# Altium PCB MCP33151 Eval Board.PcbDoc (part 2 of 3)
Units mil, origin at the board's own origin, x right, y up, seen from the top; angles counter-clockwise.
Board outline 5100 x 3300 mil, 4 copper layers (Top Layer, GND, Layer 3, Bottom Layer), stack 61.627 mil thick; 311 components, 193 nets, 867 pads, 452 vias.
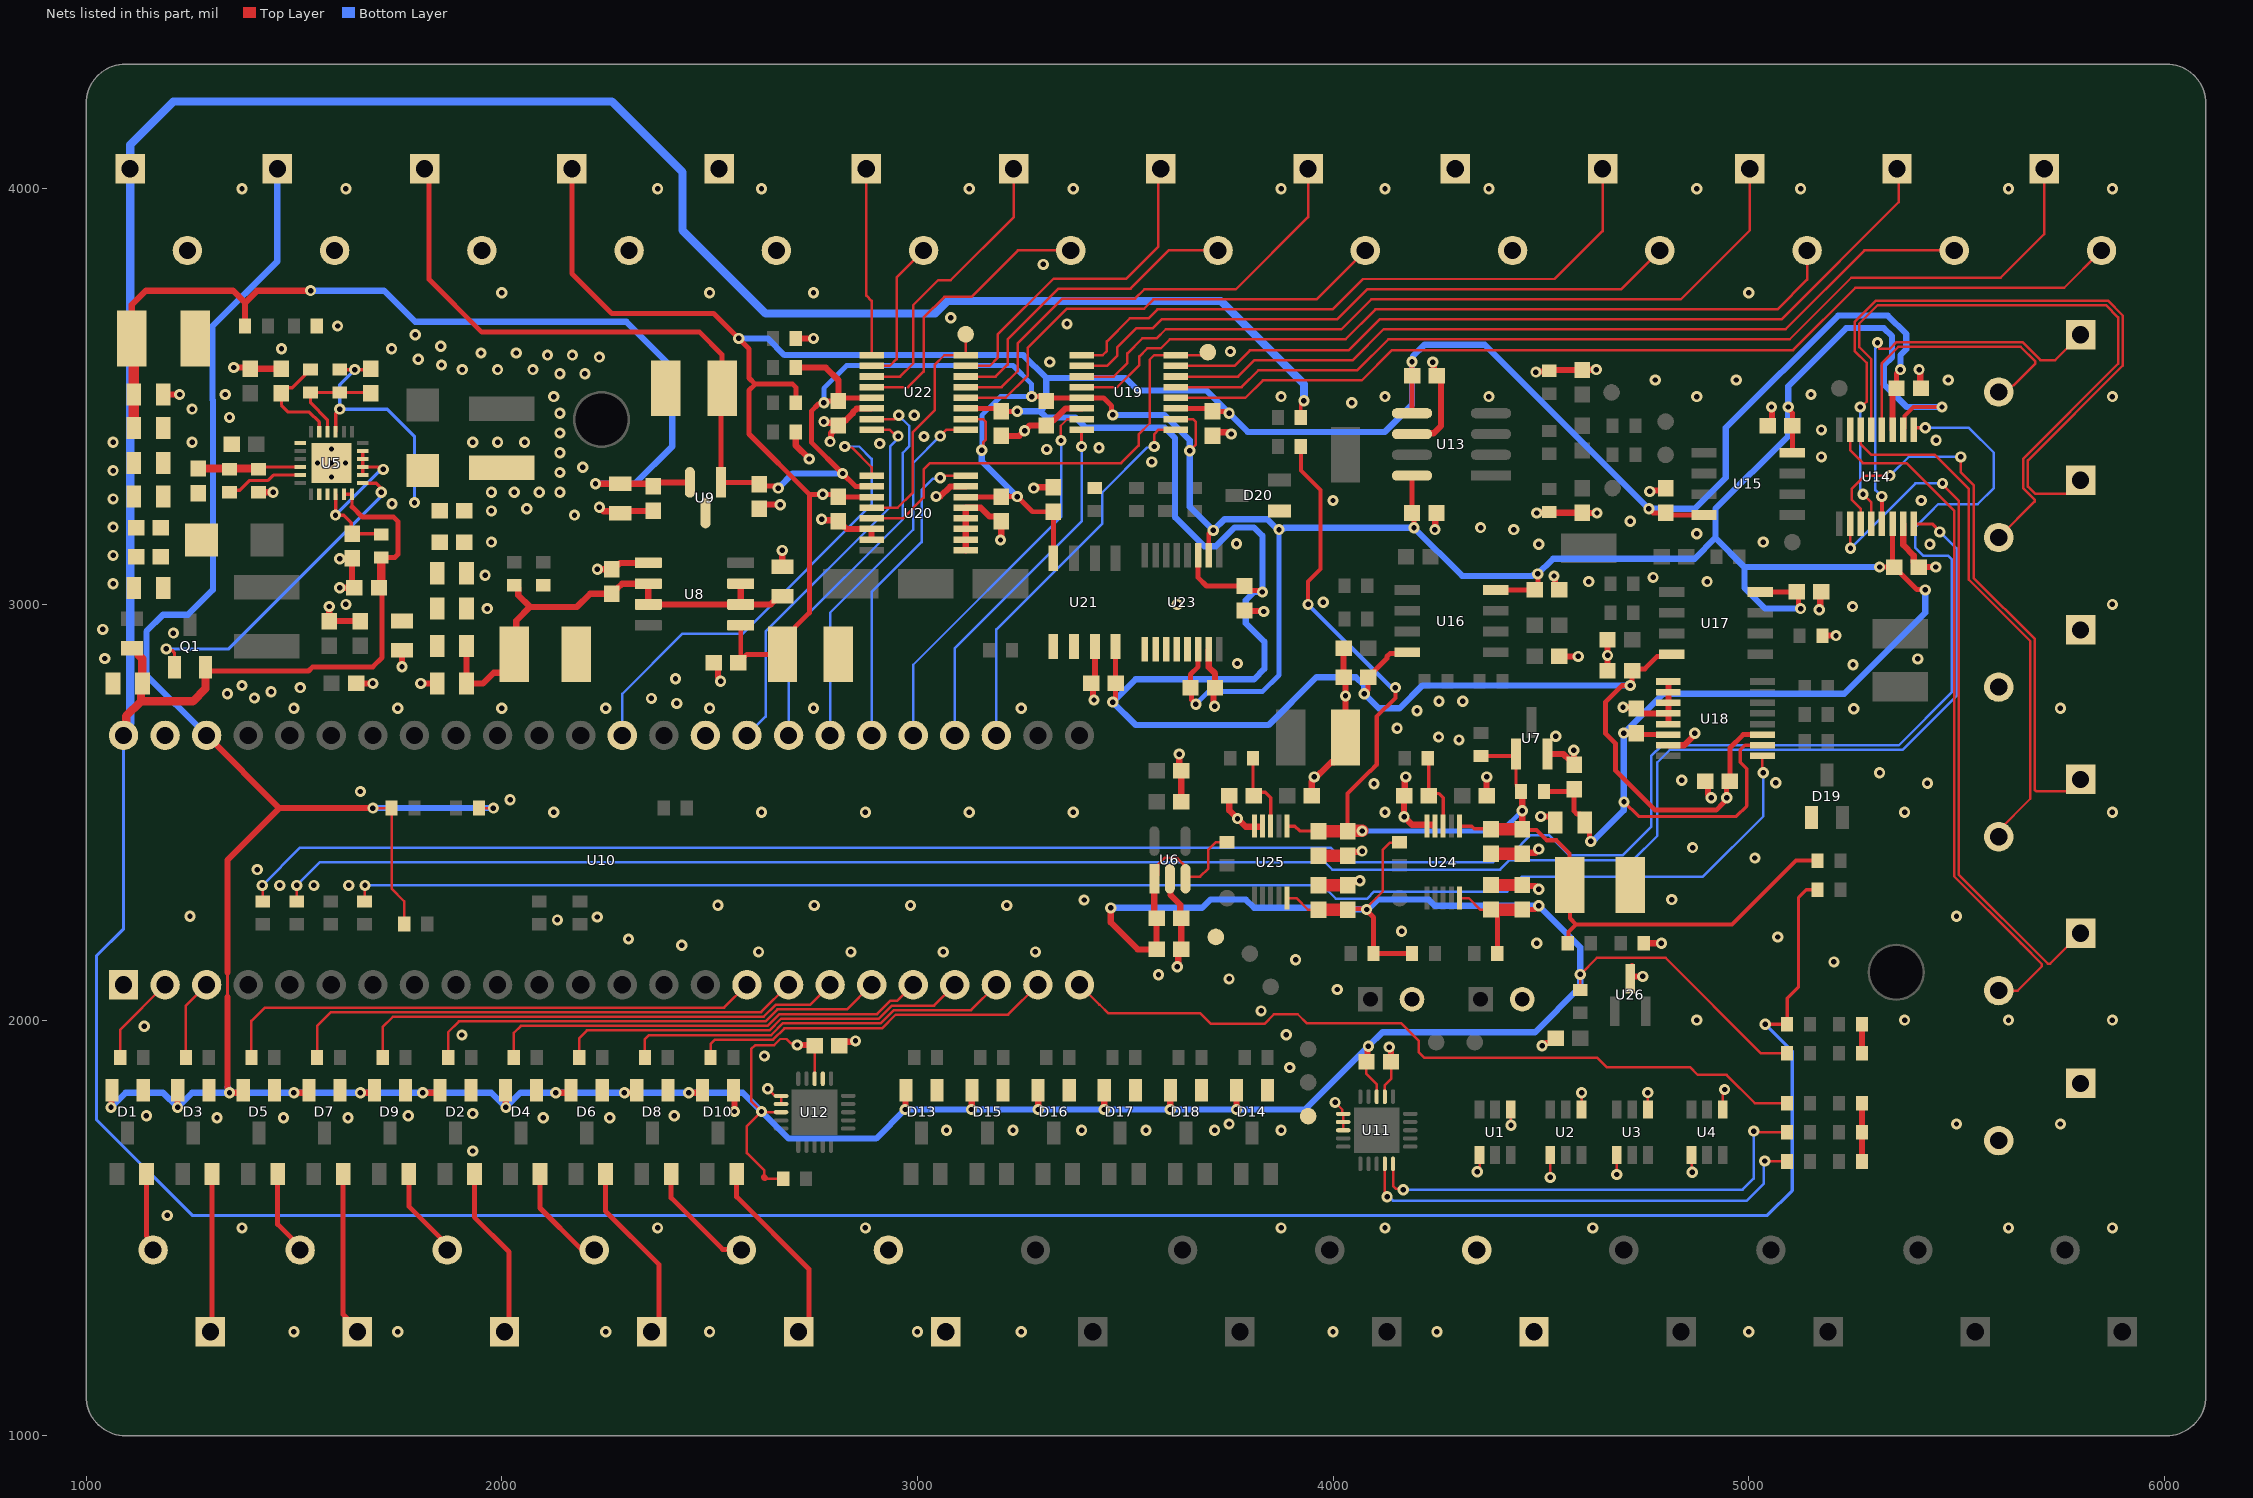
[diagram p4: the nets of this part, all layers, seen from the top]

## Via types
v1: diameter 27, hole 13, Top Layer to Bottom Layer, tented both sides, 439 vias
v2: diameter 19.68, hole 7.87, Top Layer to Bottom Layer, 8 vias
v3: diameter 23.62/27/27/27 (per signal layer), hole 11.81, Top Layer to Bottom Layer, tented both sides, 3 vias
v4: diameter 23.62/0/0/27 (per signal layer), hole 11.81, Top Layer to Bottom Layer, 2 vias

## Nets (pads, with @x,y where several pads share a name; then routed paths per layer and width w, separated by ;. In a path a pad name is that pad's centre, name@x,y a point inside that pad or via, vN(x,y) a via of type N, cw(c..) or ccw(c..) an arc to the next point about the centre after c; other vN are vias at no path point) (continued)
+3V3: C13.2 C14.2 C31.2 C32.2 C69.2 C70.2 C74.2 C75.2 D1.2 D2.2 D3.2 D4.2 D5.2 D6.2 D7.2 D8.2 D9.2 D10.2 D13.2 D14.2 D15.2 D16.2 D17.2 D18.2 P37.1 R30.1 R31.1 R32.1 R66.2 R67.2 R68.2 R69.2 R70.2 R77.2 R81.1 R91.1 U6.1 U6.3 U10.46 U11.18 U12.3 U12.18 U24.10 U25.10 | length 12301.6
  Top Layer w6: v1(1690,2510) R30.1@1734.88,2510 1734.88,2316.12 1765.44,2285.56 R91.1@1765.44,2231 ; R31.1@1945.12,2510 v1(1980,2510) ; 2631.04,1621.96 2631.04,1638.96 2590,1680 2590,1745 v1(2625,1780) ; 2633,1620 2634.65,1618.35 R32.1@2677.09,1618.35 ; U12.3@2672,1778.37 2626.63,1778.37 v1(2625,1780) ; v1(2711,1940) 2706.98,1944.02 2695.46,1944.02 2684.98,1954.5 2670,1954.5 2655.5,1940 2610,1940 2600,1930 2600,1805 v1(2625,1780) ; C32.2@2751.47,1940 C32.2@2753.13,1938.35 2752.71,1937.93 U12.18@2752.71,1859.08 ; U6.1@3567.56,2342.44 U6.1@3570,2340 3579.05,2349.05 3579.05,2374.05 3595,2390 3625,2390 3639.27,2375.73 3639.27,2373.91 3644.8,2368.38 U6.3@3644.8,2340 3649.8,2345 3680,2345 3700,2365 3700,2410 3717.56,2427.56 R70.2@3745,2427.56 ; U25.10@3889.37,2293.39 3911.61,2293.39 3939.53,2265.47 C74.2@3965,2265.47 ; C31.2@4080.47,1900 4080.47,1870.53 4105,1846 U11.18@4105,1815.71 ; v1(4080.64,2266) 4080.64,2267.61 4080.36,2267.89 4080.36,2270.36 4120,2310 4120,2410 4136.8,2426.8 4159.24,2426.8 R66.2@4160,2427.56 ; U24.10@4304.37,2293.39 4326.61,2293.39 4354.06,2265.94 C69.2@4380,2265.94 ; R81.1@4595,2072.56 v1(4595,2110) 4635,2150 4800,2150 5030,1920 R77.2@5092.44,1920
  Top Layer w8: 1340,2055 1340,2115
  Top Layer w12: C75.2@4035,2265.47 4037.41,2267.89 4080.36,2267.89 4080.36,2263.83 4097.56,2246.63 R69.2@4097.56,2160 R67.2@4190.2,2160 ; C69.2@4380,2265.94 4380,2264.96 4395.12,2249.84 R68.2@4395.12,2160 ; C70.2@4455,2265.94 4485.94,2265.94 v1(4495,2275)
  Top Layer w15: v1(1060,1790) 1061.3,1791.3 1061.3,1829.88 D1.2@1062.6,1831.18 ; v1(1220,1790) 1220.19,1790.19 1220.19,1830.99 D3.2@1220.38,1831.18 ; U10.46@1290,2685 1465,2510 ; 1340,1838.49 1340,2055 ; 1340,2115 1340,2385 1465,2510 ; v1(1345,1825) 1371.97,1825 D5.2@1378.15,1831.18 ; v1(1500,1825) 1529.75,1825 D7.2@1535.93,1831.18 ; v1(1660,1825) 1687.53,1825 D9.2@1693.71,1831.18 ; v1(1690,2510) 1465,2510 ; v1(1810,1825) 1845.31,1825 D2.2@1851.49,1831.18 ; D4.2@2009.26,1831.18 2009.63,1830.81 2009.63,1790.37 v1(2010,1790) ; v1(2130,1825) 2160.86,1825 D6.2@2167.04,1831.18 ; v1(2295,1825) 2318.64,1825 D8.2@2324.82,1831.18 ; v1(2450,1825) 2476.42,1825 D10.2@2482.6,1831.18 ; 2631.04,1621.96 2633,1620 ; v1(2711,1940) C32.2@2751.47,1940 ; v1(2970.5,1785) 2971.55,1786.05 2971.55,1830.13 D13.2@2972.6,1831.18 ; v1(3130,1785) 3130.8,1785.8 3130.8,1830.38 D15.2@3131.6,1831.18 ; v1(3290.6,1785) D16.2@3290.6,1831.18 ; v1(3449.6,1785) D17.2@3449.6,1831.18 ; v1(3465,2270) 3465,2235 3530,2170 C13.2@3575.47,2170 C14.2@3575.47,2245 3570,2250.47 U6.1@3570,2340 ; v1(3608.6,1785) D18.2@3608.6,1831.18 ; v1(3767.6,1785) D14.2@3767.6,1831.18 ; C31.2@4080.47,1900 4082.74,1902.26 4082.74,1934.74 v1(4085,1937)
  Top Layer w30: C74.2@3965,2265.47 C75.2@4035,2265.47 ; C69.2@4380,2265.94 C70.2@4455,2265.94
  Bottom Layer w15: v1(1060,1790) 1095,1825 1185,1825 v1(1220,1790) 1255,1825 v1(1345,1825) ; U10.46@1290,2685 1145,2830 1145,2935 1185,2975 1245,2975 1305,3035 1305,3491.16 1304,3492.16 1304,3669 1460.14,3825.14 P37.1@1460.14,4048.43 ; 1340,1838.49 1342.7,1835.78 1342.7,1827.3 v1(1345,1825) ; v1(1690,2510) v1(1980,2510) ; v1(3465,2270) 3685,2270 3705,2290 3790,2290 3810,2270 4037.14,2270 4040.49,2266.64 4079.99,2266.64 v1(4080.64,2266) ; v1@4081.54,2268.46 4086.01,2268.46 4107.55,2290 4230,2290 4245,2275 v1(4495,2275) 4595,2175 4595,2080 4486,1971 4119,1971 v1(4085,1937) ; v1@4084.54,1936.54 3933,1785 v1(3767.6,1785) v1(3608.6,1785) v1(3449.6,1785) v1(3290.6,1785) v1(3130,1785) v1(2970.5,1785) 2900.5,1715 2690,1715 v1(2625,1780) 2580,1825 2045,1825 v1(2010,1790) 1975,1825 v1(1810,1825) v1(1660,1825) v1(1500,1825) v1(1345,1825)
+5: C6.2 C10.2 P34.1 Q1.2 R25.1 R75.2 R84.2 R88.1 R90.1 U5.5 U5.6 U10.48 | length 12216.8
  Top Layer w8: U5.5@1620,3265.39 U5.6@1639.68,3265.39 1639.68,3235.32 1640,3235 ; R90.1@3922.56,3450 3922.56,3482.56 v1(3930,3490) ; v1(5040,1990) R75.2@5092.44,1990 5092.44,2052.44 5120,2080 5120,2295 5138.62,2313.62 R88.1@5165.79,2313.62
  Top Layer w12: Q1.2@1287.4,2848.82 1296.22,2840 1535,2840 1545,2850 1690,2850 1712,2872 1712,3032.53 C10.2@1704.53,3040 ; 1640,3235 1665,3210 1740,3210 1750,3200 1750,3120 1742.91,3112.91 R25.1@1710,3112.91
  Top Layer w20: U10.48@1090,2685 1096.27,2691.27 1096.27,2731.27 1131.86,2766.86 ; R84.2@1110,2894.57 1118.86,2894.57 1126.57,2886.85 1126.57,2877.99 1135.43,2869.13 C6.2@1135.43,2810 1131.86,2806.42 1131.86,2766.86 ; Q1.2@1287.4,2848.82 1287.4,2797.4 1256.86,2766.86 1131.86,2766.86 ; C10.2@1704.53,3040 1710,3045.47 R25.1@1710,3112.91
  Bottom Layer w8: U10.48@1090,2685 1090,2220 1025,2155 1025,1760 1255,1530 5045,1530 5105,1590 5105,1925 v1(5040,1990)
  Bottom Layer w20: U10.48@1090,2685 1090,2698.76 1105.9,2714.66 P34.1@1105.9,4048.43 1105.9,4105.9 1210,4210 2265,4210 2435,4040 2435,3900 2635,3700 3042.62,3700 3072.62,3730 3730,3730 3930,3530 v1(3930,3490)
+5V_A: C67.2 C68.2 C72.2 C73.2 R28.2 R76.2 R87.1 R89.1 R92.1 TP31.1 U7.1 U24.1 U25.1 | length 3129.5
  Top Layer w8: U25.1@3889.37,2466.61 3908.39,2466.61 3920,2455 3964.53,2455 C73.2@3965,2454.53 ; C72.2@4034.05,2454.53 4034.53,2455 C72.2@4035,2454.53 ; U24.1@4304.37,2466.61 4333.39,2466.61 4340,2460 4379.53,2460 C68.2@4380,2459.53 ; U7.1@4440,2640 4440,2565.39 4452.44,2552.95 R28.2@4452.44,2550 R28.2@4455,2547.44
  Top Layer w10: R89.1@3922.56,3380 3922.56,3322.44 3970,3275 3970,3085 3940,3055 v1(3940,3000) ; C72.2@4035,2454.53 4035,2545 4089.25,2599.25 4090,2599.25 4105,2614.25 4105,2730 4150,2775 v1(4150,2800) ; R92.1@4356,2635.44 4435.44,2635.44 U7.1@4440,2640 ; C67.2@4455,2459.53 4457.37,2457.16 4489.65,2457.16 4514.31,2432.5 4537.5,2432.5 4568.93,2401.07 4568.93,2326.07 TP31.1@4570,2325 4570,2245 4585,2230 ; R76.2@4564.88,2185 4566.86,2186.98 4566.86,2211.86 4585,2230 ; R87.1@5165.79,2383.62 5113.62,2383.62 4960,2230 4585,2230
  Top Layer w15: C67.2@4455,2459.53 v1(4455,2503.48) R28.2@4455,2547.44
  Top Layer w30: C73.2@3965,2454.53 C72.2@4034.05,2454.53 ; C72.2@4035,2454.53 4035.47,2455 v1(4070,2455) ; C68.2@4380,2459.53 C67.2@4455,2459.53
  Bottom Layer w10: v1(3940,3000) 4140,2800 v1(4150,2800)
  Bottom Layer w12: v1(4070,2455) 4406.52,2455 v1(4455,2503.48)
+12: C23.2 C24.2 C30.2 C33.2 C34.2 C40.2 C48.2 C49.2 C52.2 C55.2 C56.2 C60.2 C61.2 C62.2 P35.1 R28.1 R73.2 TP22.1 U9.1 U13.8 U14.2 U14.14 U15.8 U16.8 U17.8 U18.2 U18.14 U19.2 U19.13 U20.2 U20.14 U21.8 U22.2 U22.13 U23.2 U23.14 | length 11168.7
  Top Layer w6: U22.2@3116.19,3446.02 3157.97,3446.02 3165,3438.99 3165,3396.5 3159.02,3390.52 3159.02,3375.02 v1(3155,3371) ; U19.2@3622,3446.02 3662.97,3446.02 3670,3438.99 3670,3385 v1(3655,3370)
  Top Layer w8: v1(4700,2525) 4735,2490 4970,2490 4995,2515 4995,2605 4980,2620 4980,2650 4991.02,2661.02 U18.2@5033.19,2661.02
  Top Layer w10: U23.2@3700.98,3118.19 v1@3700.98,3170.98 ; U14.2@5371.77,3420 5374.65,3422.87 5374.65,3453.07 5396.58,3475 v1(5465,3475)
  Top Layer w12: P35.1@1824.8,4048.43 1824.8,3782.2 1952,3655 2476,3655 2530,3601 TP22.1@2530,3520 2527.4,3517.4 U9.1@2527.4,3293.65 2615.88,3293.65 C30.2@2620,3289.53 2624.2,3285.33 v1@2655.61,3285.33 ; 2744.97,3455.03 2744.97,3464.97 v1@2762.13,3482.13 ; 2745,3455 2745,3390 v1(2819.93,3315.07) 2850.99,3284.01 U20.2@2889.81,3283.98 ; v1(2775,3485) 2779.53,3489.53 C60.2@2810,3489.53 2817.68,3497.2 U22.13@2889.81,3497.2 ; U20.14@3116.19,3258.39 3200.86,3258.39 C56.2@3202,3259.53 v1(3240.47,3259.53) 3276.97,3223.03 C62.2@3327,3223.03 U21.8@3327,3111.3 ; v1(3275,3500) 3299.53,3500 C55.2@3310,3489.53 3317.68,3497.2 U19.13@3395.62,3497.2 3447.8,3497.2 3467.13,3477.87 3467.13,3458.87 v1(3470,3456) ; v1(3670,2760) 3659.67,2770.33 3659.67,2797.33 C61.2@3657,2800 3657,2832 3675.39,2850.39 U23.14@3675.39,2891.81 ; C33.2@4189.98,3220 U13.8@4189.95,3310 ; C33.2@4189.98,3220 4194.67,3215.31 v1(4194.67,3184.39) ; U16.8@4391.3,3035 C48.2@4485.47,3035 4492.74,3042.27 v1(4492.74,3073.38) ; R28.1@4507.56,2550 4574.53,2550 C24.2@4580,2555.47 4580,2502.6 4587.03,2495.57 4593.72,2495.57 4605.43,2483.86 C23.2@4605.43,2483.28 ; C23.2@4617.15,2495 C23.2@4605.43,2483.28 ; v1(4620,2430) 4617.13,2432.87 4617.13,2463.3 C23.2@4605.43,2475 C23.2@4605.43,2483.28 ; v1(4699.53,2690.47) C52.2@4730,2690.47 4733.86,2686.61 U18.14@4806.81,2686.61 ; U17.8@5027.6,3030 C49.2@5115.47,3030 5119.67,3025.8 v1@5119.67,3000.33 ; v1(5095,3475) 5095,3471.04 5105,3461.04 C40.2@5105,3430 U15.8@5105,3365 ; v1(5315,3090) C34.2@5350.47,3090 ; U14.14@5346.18,3193.62 5346.18,3094.29 C34.2@5350.47,3090 ; v1(5425,3035) 5424.49,3035.51 5404.96,3035.51 5364.16,3076.31 5364.16,3077.3 5351.46,3090 C34.2@5350.47,3090
  Top Layer w15: R73.2@2707.56,3570 2780,3570 2810,3540 C60.2@2810,3489.53
  Bottom Layer w12: v1(2775,3485) 2775,3520 2830,3575 3230,3575 3275,3530 v1(3275,3500) 3200,3500 3155,3455 v1(3155,3371) ; v1(3670,2760) 3700,2790 3830,2790 3870,2830 v1(3870,3180)
  Bottom Layer w15: v1(2665,3280) 2700.07,3315.07 v1(2819.93,3315.07) ; v1(3155,3371) 3155,3345 v1(3240.47,3259.53) ; v1(3470,3456) 3594,3456 3655,3395 v1(3655,3370) 3655,3235 v1(3711.95,3178.05) 3738.89,3205 3841.75,3205 3866.75,3180 v1(3870,3180) 3872.3,3182.3 3880.78,3182.3 3882.87,3184.39 v1(4194.67,3184.39) 4310.36,3068.7 4479.58,3068.7 4481.96,3071.08 4490.45,3071.08 4529.37,3110 4870,3110 4920,3160 ; v1(4620,2430) 4623.25,2430 4629.25,2436 4631,2436 4699.53,2504.53 v1(4699.53,2690.47) 4794.06,2785 5230,2785 5425,2980 v1(5425,3035) ; v1(5125,2990) 5040,2990 4990,3040 4990,3090 ; v1(5315,3090) 4990,3090 ; v1(5465,3475) 5380,3475 5325,3530 5325,3575 5345,3595 5345,3645 5325,3665 5235,3665 5095,3525 v1(5095,3475) 5095,3405 4920,3230 4920,3160 ; 4920,3160 4990,3090
+15: C28.2 C29.2 C78.2 R71.2 R82.1 TP14.1 U9.2 | length 2414.7
  Top Layer w15: TP14.1@1114.57,3635.43 TP14.1@1110,3640 1110,3721 1144,3755 1353.65,3755 1382.44,3726.21 ; R71.2@1382.44,3670 1382.44,3726.21 ; v1(1540,3755) 1411.23,3755 1382.44,3726.21 ; v1@2225,3290 v1(2225.43,3290.43) C28.2@2285,3290.43 2358.62,3290.43 C29.2@2365,3284.06 2374.59,3293.65 U9.2@2452.6,3293.65
  Top Layer w25: R82.1@1114.57,3425 C78.2@1114.57,3505 1114.57,3525 1114.57,3615.43 TP14.1@1114.57,3635.43
  Bottom Layer w15: v1(1540,3755) 1717,3755 1792,3680 2300,3680 2410,3570 2410,3380 2320.43,3290.43 v1(2225.43,3290.43)
-12: C27.2 C37.2 C38.2 C41.1 C50.1 C51.1 C54.2 C58.2 C59.2 C63.1 C64.2 C65.2 P36.1 R74.2 TP23.1 U8.1 U13.5 U14.3 U15.4 U16.4 U17.4 U18.3 U19.3 U20.3 U21.4 U22.3 U23.3 | length 10902.7
  Top Layer w12: P36.1@2168.64,4048.43 2168.64,3796.36 2265,3700 2510,3700 v1(2570,3640) 2595,3615 2595,3545 2610,3530 ; C27.2@2563.5,2854.44 C27.2@2569.06,2860 ; C27.2@2575,2865.94 U8.1@2575,2950 ; C27.2@2575.49,2865.45 2582.74,2872.7 2582.74,2872.97 2589.77,2880 TP23.1@2675.5,2880 2704.93,2909.43 2704.93,2944.93 2740,2980 2740,3265 ; R74.2@2707.56,3485 2707.56,3522.44 2700,3530 2610,3530 ; U20.3@2889.81,3258.39 2811.14,3258.39 C59.2@2810,3259.53 2804.53,3265 v1(2772.26,3265) 2740,3265 ; U22.3@3116.19,3471.61 3194.91,3471.61 C64.2@3202,3464.53 3239.53,3464.53 v1(3240,3465) ; v1(3470,2765) 3477,2772 C63.1@3477,2810 U21.4@3477,2898.7 ; U19.3@3622,3471.61 3702.91,3471.61 C58.2@3710,3464.53 3745.47,3464.53 v1(3750,3460) ; U23.3@3675.39,3118.19 3675.39,3064.61 3695.47,3044.53 C65.2@3787,3044.53 3797.99,3033.54 3822.4,3033.54 3825.94,3030 v1(3830,3030) ; v1(4075,2785) 4084.53,2794.53 C50.1@4084.53,2825 4085.51,2825 4098.21,2837.7 4098.21,2838.69 4130,2870.47 4130,2875 4137.46,2882.46 4176.16,2882.46 U16.4@4178.7,2885 ; U13.5@4189.95,3460 4189.95,3549.48 C37.2@4190.47,3550 4190,3550.47 v1(4190,3584) ; v1(4760,3230) 4769.53,3220.47 C41.1@4800,3220.47 4805.47,3215 U15.4@4892.4,3215 ; U17.4@4815,2880 4809.19,2874.19 4779.19,2874.19 4750.18,2845.18 4724.71,2845.18 C51.1@4719.53,2840 4719.53,2809.53 v1(4715,2805) 4714.73,2804.73 4694.73,2804.73 4655,2765 4655,2690 4680,2665 4680,2600 4775,2505 4921.72,2505 4939.5,2522.78 4939.5,2523.44 4947,2530.94 v1(4947,2535) 4947,2567.47 C54.2@4954.53,2575 4954.53,2654.53 4986.61,2686.61 U18.3@5033.19,2686.61 ; C38.2@5355.47,3520 5355.47,3555.47 v1(5365,3565) ; 2610,3530 2595,3515 2595,3410 2740,3265
  Top Layer w15: U14.3@5346.18,3420 5346.18,3510.71 C38.2@5355.47,3520
  Bottom Layer w15: v1(2570,3640) 2640,3640 2680,3600 3255,3600 3310,3545 ; v1(3240,3465) 3295,3465 ; v1(4715,2805) 4215,2805 4160,2750 4110,2750 v1(4075,2785) 4074.73,2785.27 4074.73,2805.27 4055,2825 3960,2825 3845,2710 3525,2710 v1(3470,2765) 3525,2820 3810,2820 3835,2845 3835,2910 3790,2955 3790,3010 3809.73,3029.73 3829.73,3029.73 v1(3830,3030) 3830,3165 3810,3185 3762.73,3185 3717.73,3140 3690,3140 3620,3210 3620,3400 3595,3425 3405,3425 3380,3450 3310,3450 3295,3465 ; v1(5365,3565) 5365,3600 5379.09,3614.09 5379.09,3650.91 5335,3695 5215,3695 4945,3425 4945,3305 4870,3230 v1(4760,3230) 4365,3625 4220,3625 4192.3,3597.3 4192.3,3586.3 v1(4190,3584) 4190,3480 4125,3415 3795,3415 v1(3750,3460) 3695,3515 3530,3515 3500,3545 3310,3545 ; 3295,3465 3310,3480 3310,3545
-15: C25.2 C26.2 C79.2 R72.2 R83.1 TP15.1 U8.2 U8.3 U8.6 U8.7 | length 1181.7
  Top Layer w15: R83.1@1915.43,2900 C79.2@1915.43,2810 1955,2810 1980.85,2835.85 2002.07,2835.85 2030,2863.79 TP15.1@2030,2880 2034.64,2884.64 2034.64,2960.64 2068,2994 ; R72.2@2030,3046.44 2032.67,3046.44 2039.93,3039.18 2039.93,3022.07 2068,2994 ; U8.3@2575,3050 U8.2@2575,3000 ; C25.2@2675,3019.57 2666.14,3019.57 2655.93,3009.35 2655.93,3008.79 2647.14,3000 U8.2@2575,3000 ; 2068,2994 2181,2994 2212.47,3025.47 C26.2@2265,3025.47 2265,3026.46 2276.2,3037.66 2277.19,3037.66 2289.53,3050 U8.6@2352.56,3050 U8.7@2352.56,3000 U8.2@2575,3000
AIN_HS_DE_1_N: P1.2 U14.4 | length 682.1
  Top Layer w6: U14.4@5320.59,3420 5320.59,3580.59 5360,3620 5654.28,3620 5689.66,3584.63 5689.66,3579.66 5636.76,3526.76 5634.78,3526.76 5619.13,3511.1 P1.2@5601.57,3511.1
AIN_HS_DE_1_P: P1.1 U14.13 | length 979.4
  Top Layer w6: 5314.02,3615.98 5315,3615 5339.44,3615 5355.44,3631 5659,3631 5702,3588 5737.53,3588 P1.1@5798.43,3648.9
  Top Layer w10: v1(5320,3260) 5320.59,3259.41 U14.13@5320.59,3193.62
  Bottom Layer w6: v1(5310,3630) 5305.98,3625.98 5305.98,3616.97 5305,3615.99 5305,3275 v1(5320,3260)
AIN_HS_DE_2_N: P6.2 U14.5 | length 1592.5
  Top Layer w6: U14.5@5295,3420 5295,3590 5266,3619 5266,3675.44 5310.56,3720 5859.44,3720 5889,3690.44 5889,3579 5660,3350 5660,3280 5687.75,3252.25 5687.75,3247.28 P6.2@5601.57,3161.1
AIN_HS_DE_2_P: P6.1 U14.12 | length 1851.2
  Top Layer w6: v1(5268.5,3475) 5271.15,3475 5284,3487.85 5284,3581 5255,3610 5255,3680 5306,3731 5864,3731 5900,3695 5900,3574.44 5671.96,3346.41 5671.96,3283.59 5689.09,3266.46 5765.99,3266.46 P6.1@5798.43,3298.9 ; v1(5275,3265) 5295,3245 U14.12@5295,3193.62
  Bottom Layer w6: v1(5268.5,3475) 5268.5,3277.18 5275,3270.68 v1(5275,3265)
AIN_HS_DE_3_N: P11.2 U14.6 | length 1268.9
  Top Layer w6: U14.6@5269.41,3420 5270.01,3419.4 5270.01,3384.99 5295,3360 5448,3360 5530,3278 5530,3059.44 5677.42,2912.02 5677.42,2532.42 5601.57,2456.57 P11.2@5601.57,2441.1
AIN_HS_DE_3_P: P11.1 U14.11 | length 1385.5
  Top Layer w6: U14.11@5269.41,3193.62 5269.41,3230.59 5248.5,3251.5 5248.5,3278.5 5280,3310 v1(5340,3310) ; v1(5510,3355) 5510,3318.28 5541,3287.28 5541,3064 5688.42,2916.58 5688.42,2553.51 5691.94,2550 5769.53,2550 P11.1@5798.43,2578.9
  Bottom Layer w6: v1(5340,3310) 5385,3355 v1(5510,3355)
AIN_HS_DE_4_N: P16.2 U14.7 | length 1671.5
  Top Layer w6: U14.7@5243.82,3420 5243.82,3371.18 5275,3340 5380,3340 5494,3226 5494,2346 5655,2185 5705.59,2134.41 5705.59,2129.44 5647.26,2071.1 P16.2@5601.57,2071.1
AIN_HS_DE_4_P: P16.1 U14.10 | length 1714.7
  Top Layer w6: U14.10@5243.82,3193.62 5243.82,3136.18 v1(5245,3135) ; v1(5466.24,3291.24) 5466.24,3288.76 5505,3250 5505,2350.56 5720.06,2135.5 5725.03,2135.5 P16.1@5798.43,2208.9
  Bottom Layer w6: v1(5245,3135) 5401.24,3291.24 v1(5466.24,3291.24)
AIN_HS_DE_FILTERED: C53.2 R56.1 U24.3 | length 190.6
  Top Layer w8: R56.1@4227.56,2630 4230,2627.56 4230,2550 4235,2545 4255,2545 4265,2535 U24.3@4265,2466.61
AIN_LS_MUX_SELECT_A0: U10.36 U20.1 | length 1182
  Top Layer w6: v1(2825,3380) 2827.41,3377.59 2842.41,3377.59 2889.81,3330.19 U20.1@2889.81,3309.57
  Bottom Layer w6: U10.36@2290,2685 2290,2785 2435,2930 2580,2930 2890,3240 2890,3350 2860,3380 v1(2825,3380)
AIN_LS_MUX_SELECT_A1: U10.30 U20.16 | length 760.3
  Top Layer w6: v1(3055,3305) 3060.68,3305 3065.25,3309.57 U20.16@3116.19,3309.57
  Bottom Layer w6: U10.30@2890,2685 2890,3030 3010,3150 3010,3275.14 3037.52,3302.66 3052.66,3302.66 v1(3055,3305)
AIN_LS_SE_1: P2.2 U19.4 | length 2373.7
  Top Layer w6: U19.4@3622,3497.2 3789.2,3497.2 3831,3539 4069,3539 4142,3612 5106.76,3612 5256.76,3762 5759.32,3762 P2.2@5848.9,3851.57
AIN_LS_SE_2: P2.1 U19.5 | length 2399
  Top Layer w6: U19.5@3622,3522.8 3779.8,3522.8 3820,3563 4058,3563 4133,3638 5098.82,3638 5246.82,3786 5606,3786 5711.1,3891.1 P2.1@5711.1,4048.43
AIN_LS_SE_3: P7.2 U19.6 | length 2002.5
  Top Layer w6: U19.6@3622,3548.39 3771.44,3548.39 3810.06,3587 4046.88,3587 4121.88,3662 5088.88,3662 5278.46,3851.57 P7.2@5498.9,3851.57
AIN_LS_SE_4: P7.1 U19.7 | length 1982.6
  Top Layer w6: U19.7@3622,3573.98 3763.09,3573.98 3800.12,3611 4036.94,3611 4111.94,3686 5078.94,3686 5361.1,3968.16 P7.1@5361.1,4048.43
AIN_LS_SE_5: P12.2 U19.12 | length 1934.4
  Top Layer w6: U19.12@3395.62,3522.8 3480.8,3522.8 3534,3576 3534,3597 3553,3616 3585.48,3616 3607.48,3638 4030,3638 4102,3710 5069,3710 5140.4,3781.4 P12.2@5140.4,3851.57
AIN_LS_SE_6: P12.1 U19.11 | length 1914.6
  Top Layer w6: U19.11@3395.62,3548.39 3472.44,3548.39 3505,3580.94 3505,3604 3541,3640 3575.53,3640 3597.53,3662 4020,3662 4092,3734 4836.61,3734 5002.61,3900 P12.1@5002.61,4048.43
AIN_LS_SE_7: P17.2 U19.10 | length 1517.2
  Top Layer w6: U19.10@3395.62,3573.98 3455.98,3573.98 3481,3599 3481,3619 3526,3664 3565.59,3664 3587.59,3686 4010,3686 4082,3758 4692.58,3758 P17.2@4786.16,3851.57
AIN_LS_SE_8: P17.1 U19.9 | length 1540
  Top Layer w6: U19.9@3395.62,3599.57 3445.57,3599.57 3455.75,3609.75 3455.75,3632.75 3511,3688 3555.65,3688 3577.65,3710 3999,3710 4072,3783 4533,3783 4648.36,3898.36 P17.1@4648.36,4048.43
AIN_LS_SE_9: P23.2 U22.4 | length 1147.8
  Top Layer w6: U22.4@3116.19,3497.2 3212.2,3497.2 3265,3550 3265,3617.48 3359.52,3712 3545.71,3712 3567.71,3734 3960.09,3734 P23.2@4077.66,3851.57
AIN_LS_SE_10: P23.1 U22.5 | length 1148.6
  Top Layer w6: U22.5@3116.19,3522.8 3202.8,3522.8 3241,3561 3241,3627.42 3349.58,3736 3523.88,3736 3545.88,3758 3766,3758 3939.87,3931.87 P23.1@3939.87,4048.43
AIN_LS_SE_11: P26.2 U22.6 | length 791.5
  Top Layer w6: U22.6@3110.19,3548.39 3188.39,3548.39 3217,3577 3217,3637.36 3339.64,3760 3513,3760 3604.57,3851.57 P26.2@3723.42,3851.57 ; P26.2@3731.57,3851.57 P26.2@3748.9,3851.57
AIN_LS_SE_12: P26.1 U22.7 | length 811.3
  Top Layer w6: U22.7@3110.19,3573.98 3173.98,3573.98 3193,3593 3193,3649 3328,3784 3503.06,3784 3580,3860.94 3580,4042.8 P26.1@3585.62,4048.43
AIN_LS_SE_13: P28.2 U22.12 | length 697.7
  Top Layer w6: U22.12@2883.81,3522.8 2977.8,3522.8 3015,3560 3015,3690 3065,3740 3130,3740 3241.57,3851.57 P28.2@3369.17,3851.57
AIN_LS_SE_14: P28.1 U22.11 | length 705.3
  Top Layer w6: U22.11@2883.81,3548.39 U22.11@2889.81,3548.39 2958.39,3548.39 2990,3580 2990,3720 3050,3780 3080,3780 3231.38,3931.38 P28.1@3231.38,4048.43
AIN_LS_SE_15: P29.2 U22.10 | length 361
  Top Layer w6: U22.10@2883.81,3573.98 2933.49,3573.98 2950,3590.49 2950,3786.65 P29.2@3014.93,3851.57
AIN_LS_SE_16: P29.1 U22.9 | length 454.1
  Top Layer w6: P29.1@2877.13,4048.43 2877.13,3742.87 2889.81,3730.19 U22.9@2889.81,3599.57
AIN_LS_SE_FILTERED: C57.2 R61.1 U25.3 | length 195.9
  Top Layer w8: R61.1@3807.56,2630 3807.56,2551.97 3809.53,2550 3811.05,2548.47 3836.53,2548.47 3850,2535 U25.3@3850,2466.61
AIN_LS_SE_MUX_1_OUT: TP11.1 U19.8 U20.5 | length 1120.1
  Top Layer w6: U20.5@2889.81,3207.2 2965.2,3207.2 3015,3257 3015,3325 3030,3340 3490,3340 3532,3382 3532,3409 3559,3436 3559,3589 3569.57,3599.57 U19.8@3622,3599.57 3682.37,3599.57 3689.8,3607 TP11.1@3699,3607
AIN_LS_SE_MUX_2_OUT: TP13.1 U20.4 U22.8 | length 584.6
  Top Layer w6: U20.4@2883.29,3232.8 2952.8,3232.8 2988.5,3268.5 2988.5,3414.02 3042,3467.52 3042,3577 3064.57,3599.57 U22.8@3116.19,3599.57 TP13.1@3116.19,3650
AIN_MUX_1_LS_SE_A0: U10.27 U19.1 | length 947.5
  Top Layer w6: v1(3570,3380) 3570,3410 3580.43,3420.43 U19.1@3622,3420.43
  Bottom Layer w6: U10.27@3190,2685 3190,2940 3445,3195 3445,3270 3552.59,3377.59 3567.59,3377.59 v1(3570,3380)
AIN_MUX_1_LS_SE_A1: U10.28 U19.16 | length 862
  Top Layer w8: v1(3395,3380) 3395,3419.81 U19.16@3395.62,3420.43
  Bottom Layer w6: U10.28@3090,2685 3090,2895 3395,3200 v1(3395,3380)
AIN_MUX_1_LS_SE_A2: U10.29 U19.15 | length 949.8
  Top Layer w6: v1(3345.58,3394.44) 3345,3395.02 3345,3430 3360.61,3445.61 3395.21,3445.61 U19.15@3395.62,3446.02
  Bottom Layer w6: U10.29@2990,2685 2990,2855 3345.58,3210.58 v1(3345.58,3394.44)
AIN_MUX_2_LS_SE_A0: U10.31 U22.1 | length 897.7
  Top Layer w6: v1(3055,3405) 3070.43,3420.43 U22.1@3116.19,3420.43
  Bottom Layer w6: U10.31@2790,2685 2790,2980 2990,3180 2990,3340.57 3054.43,3405 v1(3055,3405)
AIN_MUX_2_LS_SE_A1: U10.33 U22.16 | length 940.6
  Top Layer w6: U22.16@2889.81,3420.43 2932.87,3420.43 2948.3,3405 v1(2953.5,3405)
  Bottom Layer w6: U10.33@2590,2685 2635,2730 2635,2935 2935,3235 2935,3380.99 2953.5,3399.49 v1(2953.5,3405)
AIN_MUX_2_LS_SE_A2: U10.32 U22.15 | length 969.4
  Top Layer w6: U22.15@2889.81,3446.02 2946.02,3446.02 v1(2955,3455)
  Bottom Layer w6: U10.32@2690,2685 2690,2930 2965,3205 2965,3365 2980,3380 2980,3430 v1(2955,3455)
AIN_MUX_HS_DE_A0: R101.1 U14.1 | length 5465.5
  Top Layer w6: v1@1424,2322 1425,2321 R101.1@1425,2285.56
  Top Layer w8: U14.1@5397.36,3420 5397.36,3421.13 5401.24,3425 v1(5425,3425)
  Bottom Layer w6: v1(1424,2324) 1515,2415 3994,2415 4029,2380 4385,2380 4405,2400 4430,2400 4475,2445 4520,2445 4569,2396 4696,2396 4765,2465 4765,2635 4791,2661 5361,2661 5489,2789 5489,3108 5479.63,3117.37 5419.63,3117.37 5401,3136 5401,3186 5437,3222 5437,3222.24 5455.76,3241 5551,3241 5590,3280 5590,3365 5530,3425 v1(5425,3425)
AIN_MUX_HS_DE_A1: R102.1 U14.16 | length 4821.3
  Top Layer w6: R102.1@1506.67,2285.56 v1@1506.67,2323.67
  Top Layer w8: U14.16@5397.36,3193.62 5441.38,3193.62 5459.94,3175.06 v1(5459.94,3174.43)
  Bottom Layer w6: v1(1506.67,2324) 1562.67,2380 3980,2380 3998.15,2361.85 4401.85,2361.85 4425,2385 4722,2385 4780,2443 4780,2620 4810,2650 5370,2650 5500,2780 5500,3135 5460.57,3174.43 v1(5459.94,3174.43)
BOOST_BSW: Q1.1 U5.7 | length 797.3
  Top Layer w8: v1(1193,2893) 1196.64,2889.36 1207.42,2889.36 1212.6,2884.19 Q1.1@1212.6,2848.82 ; U5.7@1665.28,3291.97 1698.03,3291.97 1710,3280 v1(1710,3270)
  Bottom Layer w8: v1(1193,2893) 1343,2893 1706.36,3256.36 1706.36,3266.36 v1(1710,3270)
BOOST_VIN: C11.2 R25.2 U5.4 U5.8 U5.9 U5.10 U5.11 | length 465.1
  Top Layer w8: v1(1600,3215) 1600.31,3215.31 U5.4@1600.31,3265.39 ; v1(1600,3215) 1620.03,3214.97 1638,3197 1638,3172 C11.2@1640,3170 1708.03,3170 R25.2@1710,3168.03 ; U5.8@1665.28,3311.26 U5.9@1665.28,3330.55 ; U5.11@1665.28,3369.13 U5.10@1665.28,3349.84 U5.9@1665.28,3330.55 ; v1(1715,3325) 1709.86,3325 1704.31,3330.55 U5.9@1665.28,3330.55
  Bottom Layer w8: v1(1600,3215) 1710,3325 v1(1715,3325)
BOOST_VNEG: C12.1 C17.2 C18.2 C19.2 C20.2 D12.2 R26.1 R27.2 R83.2 U5.15 | length 611.9
  Top Layer w8: U5.15@1600.31,3415 1600.31,3460.31 v1(1610,3470) ; R26.1@1610,3565 v1(1646.52,3565) 1683.03,3565 C12.1@1685,3566.97
  Bottom Layer w8: v1(1646.52,3565) 1610,3528.48 v1(1610,3470) 1725,3470 1790,3405 v1(1790,3245)
BOOST_VPOS: C1.2 C2.2 C3.2 C4.2 C5.1 D11.1 R21.2 R22.1 R82.2 U5.23 | length 187.8
  Top Layer w8: R22.1@1345,3269.88 1350.15,3275.03 1370.03,3275.03 1393.24,3298.24 1437.69,3298.24 1450.71,3311.26 U5.23@1515.67,3311.26
BOOST_VREF: C9.1 R24.1 U5.17 | length 255.4
  Top Layer w8: R24.1@1540,3565 1537.05,3565 1526.28,3554.24 1526.28,3551.28 1496.01,3521.01 1483.1,3521.01 C9.1@1470,3507.91 1470,3479.69 1486.69,3463 1537,3463 1560.94,3439.06 U5.17@1560.94,3415
DEBUG_LED1: R78.2 U11.9 | length 1118.6
  Top Layer w6: U11.9@4124.69,1654.29 4124.69,1580.31 v1(4130,1575) ; v1(5038.5,1661) 5039.5,1660 R78.2@5092.44,1660
  Bottom Layer w6: v1(4130,1575) 4134.51,1575 4144.01,1565.5 4995.5,1565.5 5036,1606 5036,1658.5 v1(5038.5,1661)
DEBUG_LED2: R79.2 U11.10 | length 1132
  Top Layer w6: U11.10@4144.37,1654.29 4144.37,1600.63 4151.09,1593.91 4167.09,1593.91 v1(4169,1592) ; v1(5012,1733) 5015,1730 R79.2@5092.44,1730
  Bottom Layer w6: v1(4169,1592) 4985.44,1592 5012,1618.56 v1(5012,1733)
DEBUG_LED3: R80.2 U10.24 | length 1855.6
  Top Layer w6: U10.24@3390,2085 3438.09,2036.91 3438.65,2036.91 3459.56,2016 3681,2016 3706,1991 3834.7,1991 3857.7,2014 3915,2014 3937,1992 4164.56,1992 4205.78,1950.78 4205.78,1923.33 4220.11,1909 4636.11,1909 4658.11,1887 4858.56,1887 4877.56,1868 4947,1868 5015,1800 R80.2@5092.44,1800
DIO_1: P4.2 R1.1 | length 188.1
  Top Layer w12: R1.1@1145.28,1630 1145.28,1480.18 1161.1,1464.35 P4.2@1161.1,1448.43
DIO_1_PROT: R3.1 U10.2 | length 219.6
  Top Layer w6: R3.1@1082.29,1910 1082.29,1977.29 U10.2@1190,2085
DIO_2: P4.1 R5.1 | length 380.1
  Top Layer w12: P4.1@1298.9,1251.57 1303.06,1255.73 R5.1@1303.06,1630
DIO_2_PROT: R7.1 U10.3 | length 195.7
  Top Layer w6: R7.1@1240.06,1910 1240.06,2035.06 U10.3@1290,2085
DIO_3: P9.2 R9.1 | length 206.5
  Top Layer w12: R9.1@1460.83,1630 1460.83,1508.69 P9.2@1521.1,1448.43
DIO_3_PROT: R11.1 U10.16 | length 1316.1
  Top Layer w6: R11.1@1397.84,1910 1397.84,1997.84 1430,2030 2535,2030 U10.16@2590,2085
DIO_4: P9.1 R13.1 | length 395.1
  Top Layer w12: R13.1@1618.61,1630 1618.61,1291.86 P9.1@1658.9,1251.57
DIO_4_PROT: R15.1 U10.17 | length 1251.2
  Top Layer w6: R15.1@1555.62,1910 1555.62,1985.62 1589,2019 2624,2019 U10.17@2690,2085
DIO_5: P14.2 R17.1 | length 224.5
  Top Layer w12: R17.1@1776.39,1630 1776.39,1552.04 P14.2@1880,1448.43
DIO_5_PROT: R19.1 U10.18 | length 1192.1
  Top Layer w6: R19.1@1713.4,1910 1713.4,1983.4 1738,2008 2630.16,2008 2658.73,2036.57 2741.57,2036.57 U10.18@2790,2085
DIO_6: P14.1 R2.1 | length 413.1
  Top Layer w12: R2.1@1934.17,1630 1934.17,1525.83 2017.8,1442.2 P14.1@2017.8,1251.57
DIO_6_PROT: R4.1 U10.19 | length 1127.1
  Top Layer w6: R4.1@1871.18,1910 1871.18,1971.18 1897,1997 2634.72,1997 2663.29,2025.57 2830.57,2025.57 U10.19@2890,2085
DIO_7: P19.2 R6.1 | length 271.3
  Top Layer w12: R6.1@2091.95,1630 2091.95,1548.05 2191.57,1448.43 P19.2@2240,1448.43
DIO_7_PROT: R8.1 U10.20 | length 1068.1
  Top Layer w6: R8.1@2028.95,1910 2028.95,1968.95 2046,1986 2639.27,1986 2667.84,2014.57 2902.9,2014.57 2934.33,2046 2951,2046 U10.20@2990,2085
DIO_8: P19.1 R10.1 | length 431.5
  Top Layer w12: R10.1@2249.72,1630 2249.72,1540.28 2377.8,1412.2 P19.1@2377.8,1251.57
DIO_8_PROT: R12.1 U10.21 | length 1003.1
  Top Layer w6: R12.1@2186.73,1910 2186.73,1956.73 2205,1975 2643.83,1975 2672.4,2003.57 2907.45,2003.57 2938.89,2035 3040,2035 U10.21@3090,2085
DIO_9: P25.2 R14.1 | length 302.5
  Top Layer w12: R14.1@2407.5,1630 2407.5,1572.5 2531.57,1448.43 P25.2@2601.1,1448.43
DIO_9_PROT: R16.1 U10.22 | length 944.1
  Top Layer w6: R16.1@2344.51,1910 2344.51,1954.51 2354,1964 2648.39,1964 2676.95,1992.57 2912.01,1992.57 2943.44,2024 3129,2024 U10.22@3190,2085
DIO_10: P25.1 R18.1 | length 450.3
  Top Layer w12: R18.1@2565.28,1630 2565.28,1574.72 2738.9,1401.1 P25.1@2738.9,1251.57
DIO_10_PROT: R20.1 U10.23 | length 879.1
  Top Layer w6: R20.1@2502.29,1910 2502.29,1942.29 2513,1953 2652.94,1953 2679.94,1980 2915,1980 2948,2013 3218,2013 U10.23@3290,2085
FBN: C12.2 R24.2 R26.2 U5.16 | length 257.5
  Top Layer w8: U5.16@1580.63,3415 1580.63,3444.37 1540,3485 R24.2@1540,3509.88 R26.2@1610,3509.88 1683.03,3509.88 C12.2@1685,3507.91
FBP: C5.2 R22.2 R23.1 U5.22 | length 249
  Top Layer w8: R23.1@1415,3325 1420.77,3330.77 1515.45,3330.77 U5.22@1515.67,3330.55
  Top Layer w20: C5.2@1270,3326.97 1345,3326.97 1413.03,3326.97 R23.1@1415,3325
GND: C1.1 C2.1 C3.1 C4.1 C6.1 C7.1 C8.1 C9.2 C10.1 C11.1 C13.1 C14.1 C15.1 C16.1 C17.1 C18.1 C19.1 C20.1 C21.1 C22.1 C23.1 C24.1 C25.1 C26.1 C27.1 C28.1 C29.1 C30.1 C31.1 C32.1 C33.1 C34.1 C35.2 C37.1 C38.1 C39.1 C40.1 C41.2 C45.1 C46.1 C47.1 C48.1 C49.1 C50.2 C51.2 C52.1 C53.1 C54.1 C55.1 C56.1 C57.1 C58.1 C59.1 C60.1 C61.1 C62.1 C63.2 C64.1 C65.1 C66.1 C67.1 C68.1 C69.1 C70.1 C71.1 C72.1 C73.1 C74.1 C75.1 C76.1 C77.1 C78.1 C79.1 D1.1 D2.1 D3.1 D4.1 D5.1 D6.1 D7.1 D8.1 D9.1 D10.1 D13.1 D14.1 D15.1 D16.1 D17.1 D18.1 D19.1 D20.1 D21.2 D22.2 D23.2 D24.2 D25.2 D26.1 D27.1 D28.2 D29.2 D30.2 L2.1 P20.1 P20.2 P21.1 P21.2 P22.1 P22.2 P24.1 P24.2 P27.1 P27.2 P30.1 P30.2 P32.2 P33.2 P34.2 P35.2 P36.2 P37.2 R21.1 R23.2 R27.1 R48.1 R49.1 R57.1 R62.1 TP17.1 TP18.1 TP20.1 TP25.1 TP26.1 TP33.1 TP34.1 TP36.1 U1.1 U1.4 U2.1 U2.4 U3.1 U3.4 U4.1 U4.4 U5.2 U5.3 U5.19 U5.25 U6.2 U7.2 U8.5 U9.3 U10.1 U10.34 U10.47 U11.1 U11.2 U11.3 U11.17 U12.1 U12.2 U12.17 U13.6 U14.15 U18.9 U18.10 U18.11 U18.12 U18.13 U18.15 U19.14 U20.6 U20.7 U20.9 U20.10 U20.11 U20.12 U20.13 U20.15 U21.1 U21.2 U21.3 U22.14 U23.9 U23.10 U23.11 U23.12 U23.13 U23.15 U24.4 U24.5 U25.4 U25.5 U26.3 | length 6623.7
  Top Layer w6: v1(2640,1835) 2655.48,1819.52 2656.39,1819.52 2658.16,1817.74 U12.1@2672,1817.74 U12.2@2672,1798.06 ; v1(4005,1802) 4022.22,1784.78 4022.22,1776.15 4024,1774.37 U11.1@4024.29,1774.37 U11.2@4024.29,1754.69 U11.3@4024.29,1735 ; U11.17@4124.69,1815.71 4124.69,1843.69 4139.53,1858.53 C31.1@4139.53,1900 ; v1(4135,1935) v1@4139.53,1930.47 ; v1(4347,1635) 4352.6,1640.6 U1.1@4352.6,1674.89 ; U1.4@4427.4,1785.12 4427.4,1747.6 v1@4429,1746 ; v1@4522,1621 v1(4522.6,1621.6) U2.1@4522.6,1674.89 ; U2.4@4597.4,1785.12 4598,1785.72 v1(4598,1825) ; U3.1@4682.6,1674.89 v1(4682.6,1628.4) v1@4683,1628 ; v1@4756,1827 v1(4757.4,1825.6) U3.4@4757.4,1785.12 ; U4.1@4862.6,1674.89 4862.6,1635.4 v1(4864,1634) ; U4.4@4937.4,1785.12 4937.4,1828.4 v1(4942,1833)
  Top Layer w15: C78.1@1185.43,3505 v1(1225,3505) ; v1(1355,3570) 1391.97,3570 C22.1@1395,3566.97 C9.2@1470,3566.97 ; R23.2@1415,3269.88 v1(1449.94,3269.94) v1(1449.94,3269.94) v1@1450,3270 ; v1(1585,2995) C8.1@1585,2960 1659.53,2960 C7.1@1660,2959.53 ; v1(1610,3040) C10.1@1645.47,3040 1640,3045.47 C11.1@1640,3110.94 1639.06,3110 v1(1610,3110) ; C76.1@1649.53,2810 v1(1690,2810) ; v1(1760,2850) R27.1@1760,2889.57 ; v1(1805,2810) C79.1@1844.57,2810 ; v1(2230.24,3084.76) 2230.35,3084.65 2264.88,3084.65 C26.1@2265,3084.53 2265,3085.51 2276.2,3096.71 2281.7,3096.71 2284.99,3100 U8.5@2352.56,3100 ; v1(2235,3234) 2244.71,3224.29 2280.28,3224.29 C28.1@2285,3219.57 2290.43,3225 C29.1@2365,3225 ; C27.1@2510,2860 2519.99,2850.01 2519.99,2824.75 2526.5,2818.25 v1(2526.5,2815) ; D10.1@2557.4,1831.18 2560,1828.58 v1(2560,1780) ; C30.1@2620,3230.47 2630.28,3240.76 2669.24,3240.76 v1(2670,3240) ; C25.1@2675,3090.43 v1(2675,3130) ; D27.1@2707.56,3415 2707.56,3382.44 v1(2740,3350) ; D22.2@2707.56,3640 v1(2750,3640) ; v1@2775,3205 2777.59,3202.41 2808.06,3202.41 2808.06,3201.43 2821.2,3188.29 2823.31,3188.29 2829.99,3181.61 U20.6@2889.81,3181.61 U20.7@2889.81,3156.02 ; v1(2775,3440) 2777.59,3437.41 2803.06,3437.41 C60.1@2810,3430.47 ; v1(2789.9,3391.7) 2792.19,3394 2792.19,3411.68 2810,3429.49 C60.1@2810,3430.47 ; C32.1@2812.18,1938.35 2821.54,1947.7 2848.7,1947.7 v1(2851,1950) ; U22.14@2889.81,3471.61 2889.44,3471.24 2853.79,3471.24 2845,3462.45 2845,3460 2827.66,3442.66 2821.2,3442.66 2810,3431.46 C60.1@2810,3430.47 ; v1(3045,3260) 3055,3260 3078.6,3283.6 3115.82,3283.6 U20.15@3116.19,3283.98 ; U20.9@3116.19,3130.43 U20.10@3116.19,3156.02 U20.11@3116.19,3181.61 U20.12@3116.19,3207.2 U20.13@3116.19,3232.8 3116.56,3232.42 3152.58,3232.42 3159.99,3225.01 3173.16,3211.84 3190.8,3211.84 3202,3200.64 C56.1@3202,3200.47 3202,3157 v1(3200,3155) ; C64.1@3202,3405.47 3245.47,3405.47 v1(3257.97,3417.97) 3270.47,3430.47 C55.1@3310,3430.47 3310,3431.46 3321.2,3442.66 3327.66,3442.66 3356.51,3471.51 3395.52,3471.51 U19.14@3395.62,3471.61 ; v1(3280,3280) 3282.09,3282.09 C62.1@3327,3282.09 ; v1(3425,2770) 3422.7,2772.3 3422.7,2805.24 C63.2@3417.94,2810 3427,2819.06 U21.3@3427,2898.7 ; U6.2@3607.4,2340 3609.14,2338.26 3609.14,2300.86 3632.59,2277.41 3632.59,2246.94 C14.1@3634.53,2245 C13.1@3634.53,2170 C13.1@3627.3,2162.77 ; v1(3625.03,2128.5) 3627.33,2130.8 C13.1@3627.33,2162.74 ; v1(3630,2640) 3630,2605 C16.1@3635,2600 3634.53,2599.53 C15.1@3634.53,2525 ; U23.15@3700.98,2891.81 3700.98,2849.02 3716.06,2833.94 C61.1@3716.06,2800 3712.45,2796.39 3712.45,2760.8 3715,2758.25 v1(3715,2755) ; C58.1@3710,3405.47 3718.63,3414.1 3747.65,3414.1 3751.75,3410 v1(3755,3410) ; C57.1@3750.47,2550 C57.1@3750.47,2540 3750.47,2504.53 v1(3770.24,2484.76) 3790,2465 U25.4@3825.16,2465 ; C65.1@3787,2985.47 3788.2,2984.28 3831.88,2984.28 v1(3833.08,2983.08) ; C71.1@3949.06,2540 3949.06,2574.06 3995.57,2620.57 4002.07,2620.57 4030,2648.5 TP34.1@4030,2680 v1(4030,2780) 4030,2820.47 C50.2@4025.47,2825 C45.1@4025.47,2895 ; C75.1@4035,2324.53 4043.53,2333.05 4062.35,2333.05 v1(4064.65,2335.35) ; C72.1@4035,2395.47 4043.73,2404.2 4067.7,2404.2 v1(4070,2406.5) ; C31.1@4139.53,1900 v1@4139.53,1930.47 ; v1(4175,2585) 4172.41,2582.41 4172.41,2551.47 4170.94,2550 C53.1@4170.94,2540 v1(4170.94,2489.06) 4190,2470 4238.95,2470 U24.4@4241.49,2467.46 ; U13.6@4189.95,3410 4191.77,3411.82 4241.82,3411.82 4260,3430 4260,3539.53 4242.3,3557.23 4242.3,3580.7 v1(4240,3583) ; v1(4245,3180) 4245.9,3180.9 4245.9,3216.87 C33.1@4249.03,3220 ; C66.1@4369.53,2550 4369.53,2584.53 v1(4370,2585) ; C70.1@4455,2325 4457.41,2322.59 4487.41,2322.59 v1(4495,2315) ; C67.1@4455,2400.47 4456.94,2402.41 4487.41,2402.41 4495,2410 v1(4495,2411.5) ; v1(4488,3559) 4489.54,3560.54 4518.46,3560.54 4521.97,3564.06 C39.1@4600,3564.06 4600.47,3564.53 4632.53,3564.53 v1(4633,3565) ; v1(4490,3220) 4491.22,3221.22 4518.78,3221.22 R49.1@4520,3222.44 4521.97,3220.47 C35.2@4600,3220.47 4600.24,3220.24 4634.76,3220.24 v1(4635,3220) ; v1(4500,2490) 4524.35,2490 4534.57,2479.78 C23.1@4534.57,2475 ; v1(4503,1938) 4506.25,1938 4513.05,1944.8 4524.27,1944.8 C77.1@4535.47,1956 ; U7.2@4515.59,2640 4554.53,2640 4567.81,2626.71 4568.8,2626.71 C24.1@4579.5,2616.01 ; v1(4531.6,3068.4) 4533.9,3066.1 4533.9,3046.2 4532.92,3046.2 4544.12,3035 C48.1@4544.53,3035 ; C46.1@4544.53,2875 v1(4590,2875) ; v1(4579,2649) 4579.5,2648.5 C24.1@4579.5,2616.01 ; C24.1@4580,2614.53 4579.5,2615.03 C24.1@4579.5,2616.01 ; C51.2@4660.47,2840 C47.1@4660.47,2915 ; v1(4697.59,2752.41) 4727.11,2752.41 C52.1@4730,2749.53 4730,2749 4741.2,2737.8 U18.12@4806.81,2737.8 ; U26.3@4715,2100 4715,2100.69 U26.3@4719.31,2105 ; U26.3@4719.31,2129.31 U26.3@4719.31,2105 ; v1(4745,2105) U26.3@4719.31,2105 ; D24.2@4745,2182.44 D24.2@4747.56,2185 v1(4790,2185) ; v1(4761.92,3271.92) 4764.22,3274.22 4794.69,3274.22 C41.2@4800,3279.53 ; U18.15@4806.81,2661.02 4807.19,2661.4 4844.64,2661.4 4870,2686.75 v1(4870,2690) ; U18.13@4806.81,2712.2 U18.12@4806.81,2737.8 ; U18.9@4806.81,2814.57 U18.10@4806.81,2788.98 U18.11@4806.81,2763.39 U18.12@4806.81,2737.8 ; C54.1@4895.47,2575 4902.41,2568.06 4902.41,2542.59 v1(4910,2535) ; C40.1@5045.94,3430 5056.27,3440.32 5056.27,3473.73 v1(5055,3475) ; v1(5170,2987.5) 5172.26,2989.76 5172.26,3018.8 5168.29,3022.77 5167.3,3022.77 C49.1@5174.53,3030 ; R57.1@5177.56,2925 v1(5210,2925) ; D28.2@5272.68,1660 D29.2@5272.68,1730 D30.2@5272.68,1800 ; D25.2@5272.68,1920 D23.2@5272.68,1990 ; U14.15@5371.77,3193.62 5371.77,3143.23 5397.34,3117.66 5397.34,3101.2 5408.54,3090 C34.1@5409.53,3090 v1(5450,3090) ; v1(5410,3565) 5410,3561.75 5412.59,3559.17 5412.59,3521.94 C38.1@5414.53,3520
  Top Layer w30: C74.1@3965,2324.53 C75.1@4035,2324.53 ; C73.1@3965,2395.47 C72.1@4035,2395.47 ; C69.1@4380,2325 C70.1@4455,2325 ; C68.1@4380,2400.47 C67.1@4455,2400.47
  other v1: 1500,1250 1750,1250 2250,1250 2500,1250 3000,1250 3250,1250 4000,1250 4250,1250 5000,1250 1375,1500 2375,1500 2875,1500 3875,1500 4125,1500 4625,1500 5625,1500 5875,1500 1195,1530 1930,1685 3070,1735 3230,1735 3395,1735 3550,1735 3715,1735 3875,1735 4428.2,1746.8 3750,1750 5500,1750 5750,1750 1315,1765 1475,1765 1630,1765 2100,1765 2260,1765 1145,1770 1775,1770 2415,1770 1930,1775 3896,1886 2632,1913.5 1904.11,1964.11 3887.4,1964.81 1140,1985 4875,2000 5375,2000 5625,2000 5875,2000 3826.97,2022.01 4010,2073.5 3750,2099 3580,2109 5205,2140 3910,2145 2618,2164 2840,2164 3062,2164 3284,2164 2433,2180 4490,2185 2305,2195 5070,2200 4165,2214 2134,2241 2230,2248 1250,2250 5500,2250 2520,2276.5 2751.67,2276 2983.33,2276 3215,2276 3401,2289 4815,2290 1466,2324 1548,2324 1632,2324 1412,2362 5015,2390 4865,2415 2125,2500 2625,2500 2875,2500 3125,2500 3375,2500 4125,2500 5375,2500 5875,2500 2020,2530 1660,2550 4098.65,2568.35 5430,2570 5065,2571 4839,2577 3955,2585 5315,2595 4303,2674 4254,2681 4536,2683 4154,2702 4202,2744 5253,2749 1500,2750 1750,2750 2000,2750 2250,2750 2500,2750 2750,2750 3250,2750 5750,2750 2421,2762 4255,2767 4312,2767 2360,2774 1405,2775 1340,2785 1445,2790 1515,2800 1375,2805 2418,2821 5251,2855 3770,2858 5407,2869 1045,2870 4660.47,2877.5 1210,2931 1040,2940 1965,2990 5250,2995 1625,3000 3625,3000 5875,3000 3976.63,3005.23 1065,3050 4615,3055 4900,3055 4770,3065 1960,3070 1065,3118 4495,3145 5436,3145 3767.75,3146.18 1975,3150 5035,3150 4875,3170 4435,3180 4355,3185 1065,3186 4715,3200 2769.5,3205 2175,3215 1975,3225 2060,3230 1736,3242 4000,3250 5415,3250 1065,3254 1975,3270 2030,3270 2090,3270 2140,3270 2140,3317.5 1065,3322 2195,3330 3564,3343 5175,3355 2140,3365 3311,3373 3437,3377 2909.19,3387.01 1065,3390 1255,3390 1930,3390 1990,3390 2055,3390 5451,3395 3015.98,3404.02 2140,3412.5 5175,3420 1345,3450 2992.24,3455.24 2140,3460 1255,3470 4045,3485 2125,3500 3875,3500 4125,3500 4375,3500 4875,3500 5875,3500 1335,3505 5150,3505 4775,3540 4970,3540 5480,3540 2140,3555 2200,3555 1905,3565 1990,3565 2075,3565 1855,3576 3318.47,3583.25 1799,3590 2235,3595 2110,3600 2170,3600 1950,3605 2035,3605 3753,3608.5 1470,3615 1735,3615 1853,3621 1792,3649 1605,3670 3360,3675 3080,3690 2000,3750 2500,3750 2750,3750 5000,3750 3303,3818 1375,4000 1625,4000 2375,4000 2625,4000 3125,4000 3375,4000 3875,4000 4125,4000 4375,4000 4875,4000 5125,4000 5625,4000 5875,4000
  other v3: 1556.47,3340.2 1590.47,3340.2 1624.47,3340.2
  other v4: 1590.47,3306.2 1590.47,3374.2
HS_DE_GAIN_MUX_A0: R104.1 U18.1 | length 3643.9
  Top Layer w6: R104.1@1670,2285.56 1670,2323 v1(1671,2324) ; U18.1@5033.19,2635.43 5033.19,2596.81 v1(5035,2595)
  Bottom Layer w6: v1(1671,2324) 3975,2324 4006.5,2292.5 4082.5,2292.5 4099,2309 4419,2309 4455,2345 4890,2345 5035,2490 v1(5035,2595)